# KiCad board RiscPcRtcRepair.kicad_pcb
title: RiscPc RTC Repair Board; rev: 1; note: PCF8583 RTC/SRAM replacement with CR2032 battery backup
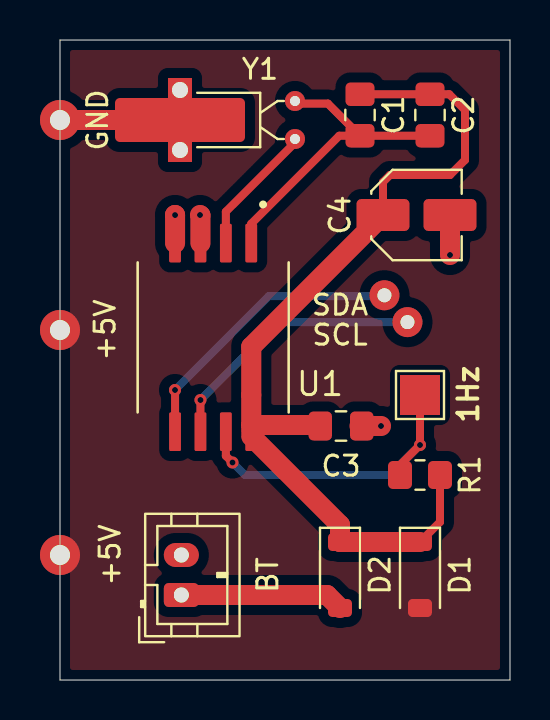
[diagram p0: board, top side]
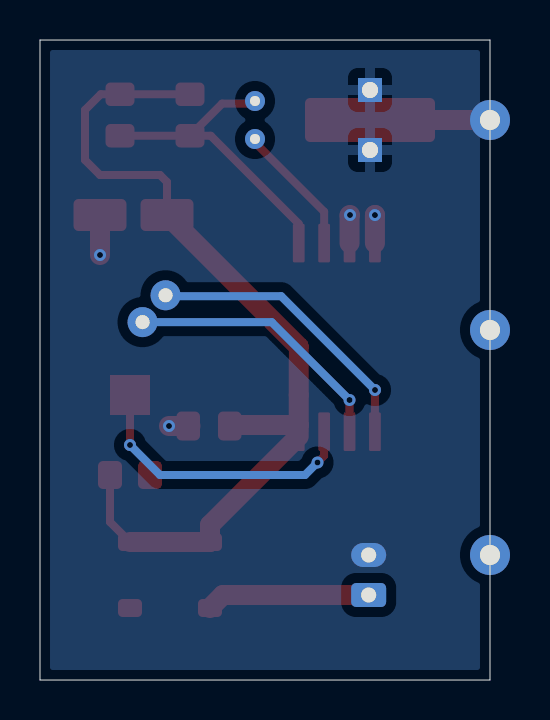
[diagram p1: board, bottom side, seen from below]

Outline 22.5 x 32 mm; copper layers: Top, Bottom. Coordinates in mm from the lower left corner of the outline.
Outline path: 0,32 22.5,32 22.5,0 0,0 0,32
Stack: Top 0.035mm / dielectric 1.51mm FR4 er 4.5 / Bottom 0.035mm

## Placement (name value [footprint] x y rotation side)
+5V  TestPoint  [TestPoint_THTPad_D2.0mm_Drill1.0mm]  0 17.5 0 top
+5V1  TestPoint  [TestPoint_THTPad_D2.0mm_Drill1.0mm]  0 6.25 0 top
BT  CR2032  [JST_PH_B2B-PH-K_1x02_P2.00mm_Vertical]  6.07 4.25 90 top
C1  18pF  [C_0805_2012Metric_Pad1.18x1.45mm_HandSolder]  15 28.25 270 top
C2  15pF  [C_0805_2012Metric_Pad1.18x1.45mm_HandSolder]  18.5 28.25 270 top  (not fitted)
C3  C  [C_0805_2012Metric_Pad1.18x1.45mm_HandSolder]  14.05 12.7 180 top
C4  4.7uF  [C_Elec_4x5.4]  17.83 23.25 0 top
D1  BAT46W  [D_SOD-123]  18 5.25 270 top
D2  BAT46W  [D_SOD-123]  14 5.25 270 top
GND  TestPoint  [TestPoint_THTPad_D2.0mm_Drill1.0mm]  0 28 0 top
INT1  TestPoint  [TestPoint_Pad_2.0x2.0mm]  18 14.25 0 top
R1  4k7  [R_0805_2012Metric_Pad1.20x1.40mm_HandSolder]  18 10.25 180 top
SCL  TestPoint  [TestPoint_THTPad_D1.5mm_Drill0.7mm]  17.37 17.89 0 top
SDA  TestPoint  [TestPoint_THTPad_D1.5mm_Drill0.7mm]  16.22 19.24 0 top
U1  PCF8583T  [SOIC127P1032X265-8N]  7.66 17.13 270 top
Y1  Crystal_GND3  [Crystal_C26-LF_D2.1mm_L6.5mm_Horizontal_1EP_style2]  11.75 28.95 270 top

## Library data of the parts
+5V +5V1 GND INT1 SCL SDA = -: Description: test point; ki_fp_filters: Pin* Test*
BT = -: Description: Multiple-cell battery; Sim.Device: V; Sim.Type: DC; Sim.Pins: 1=+ 2=-
C1-C4 = -: Description: Unpolarized capacitor; ki_fp_filters: C_*
D1 D2 = -: Description: Schottky diode; ki_fp_filters: TO-???* *_Diode_* *SingleDiode* D_*
R1 = -: Description: Resistor; ki_fp_filters: R_*
U1 = -: Datasheet: https://www.nxp.com/docs/en/data-sheet/PCF8583.pdf; Description: Clock and calendar with 240x8 bit RAM, I2C-bus
Y1 = -: ki_fp_filters: Crystal*

## Footprints (pads in the part's own frame, mm; a bottom-side part is the same pattern mirrored in y, then rotated)
C_0805_2012Metric_Pad1.18x1.45mm_HandSolder
  rrect 1.175x1.45 smd: 1(-1.038,0) 2(1.038,0)
C_Elec_4x5.4
  rrect 2.65x1.6 smd: 1(-1.675,0) 2(1.675,0)
Crystal_C26-LF_D2.1mm_L6.5mm_Horizontal_1EP_style2
  round 1 hole 0.5: 1(0,0) 2(1.9,0)
  rect 1.2x1.2 hole 0.8: 3(-0.55,-5.75) 3(2.45,-5.75)
  rrect 2.2x6.5 smd: 3(0.95,-5.75)
D_SOD-123
  rrect 0.9x1.2 smd: 1(-1.65,0) 2(1.65,0)
JST_PH_B2B-PH-K_1x02_P2.00mm_Vertical
  rrect 1.2x1.75 hole 0.75: 1(0,0)
  oval 1.2x1.75 hole 0.75: 2(2,0)
R_0805_2012Metric_Pad1.20x1.40mm_HandSolder
  rrect 1.2x1.4 smd: 1(-1,0) 2(1,0)
SOIC127P1032X265-8N
  rrect 1.93x0.59 smd: 1(-4.715,1.905) 2(-4.715,0.635) 3(-4.715,-0.635) 4(-4.715,-1.905) 5(4.715,-1.905) 6(4.715,-0.635) 7(4.715,0.635) 8(4.715,1.905)
TestPoint_Pad_2.0x2.0mm
  rect 2x2 smd: 1(0,0)
TestPoint_THTPad_D1.5mm_Drill0.7mm
  round 1.5 hole 0.7: 1(0,0)
TestPoint_THTPad_D2.0mm_Drill1.0mm
  round 2 hole 1: 1(0,0)

## Nets
+5V: +5V.1 +5V1.1 D1.2
GND: BT.2 C3.1 C4.2 GND.1 U1.3 U1.4 Y1.3
Net-(BT1-+): BT.1 D2.2
Net-(D1-K): C1.1 C2.1 C3.2 C4.1 D1.1 D2.1 R1.1 U1.8
Net-(U1-OSCI): C1.2 C2.2 U1.1 Y1.1
Net-(U1-OSCO): U1.2 Y1.2
Net-(U1-SCL): SCL.1 U1.6
Net-(U1-SDA): SDA.1 U1.5
Net-(U1-~{INT}): INT1.1 R1.2 U1.7

## Via types
v1: diameter 0.6, hole 0.3, Top to Bottom, 8 vias

## Routing (per net, layer and track width the routed paths; a pad name or vN(x,y) marks a point on that pad's centre or on a via; arc(x,y) is an arc through that point)
GND: length 11.1
  Top w1: C4.2 v1(19.5,21.25) ; v1(7,23.25) 7.02,23.23 U1.3 ; 14.97,12.7 v1(16.05,12.7) ; Y1.3 0.8,28 ; 5.75,23.25 v1(5.75,23.25) U1.4
Net-(BT1-+): length 8.2
  Top w1: D2.2 13.35,4.25 BT.1
Net-(D1-K): length 47.2
  Top w0.4: D1.1 19,7.9 R1.1 ; C1.1 C2.1 19.46,29.29 20.25,28.5 20.25,26 19.5,25.25 16.5,25.25 16.15,24.9 C4.1 16.5,23.6 ; 9.56,12.93 U1.8 9.56,12.19
  Top w1: U1.8 9.56,12.75 ; 9.56,12.75 12.79,12.75 ; 9.56,12.75 9.56,16.66 C4.1 ; D1.1 D2.1 14,7.75 9.56,12.19
Net-(U1-OSCI): length 15.6
  Top w0.4: U1.1 9.56,22.81 13.96,27.21 C1.2 ; 11.8,28.82 13.39,28.82 C1.2 ; C1.2 C2.2
Net-(U1-OSCO): length 6.5
  Top w0.4: U1.2 8.29,23.41 11.8,26.92
Net-(U1-SCL): length 13.5
  Top w0.4: U1.6 v1(7.02,14)
  Bottom w0.4: SCL.1 10.92,17.89 v1(7.02,14)
Net-(U1-SDA): length 14.5
  Top w0.4: U1.5 5.75,14.5 v1(5.75,14.5)
  Bottom w0.4: 5.75,14.5 10.44,19.19 16.23,19.19
Net-(U1-~{INT}): length 16.3
  Top w0.4: R1.2 17,10.75 v1(18,11.75) INT1.1 ; U1.7 8.29,11.21 v1(8.62,10.88)
  Bottom w0.4: v1(8.62,10.88) 9.25,10.25 16.5,10.25 v1(18,11.75)

## Copper pours and planes (outline as drawn; the poured copper is in the pictures)
+5V on Top: 0.5,31.5 22,31.5 22,0.5 0.5,0.5
GND on Bottom: 0.5,31.5 22,31.5 22,0.5 0.5,0.5

## Text on the board
F.Silkscreen: +5V | 1Hz
